# Altium PCB 2-quilter-output.PcbDoc (part 12 of 26) (continued)
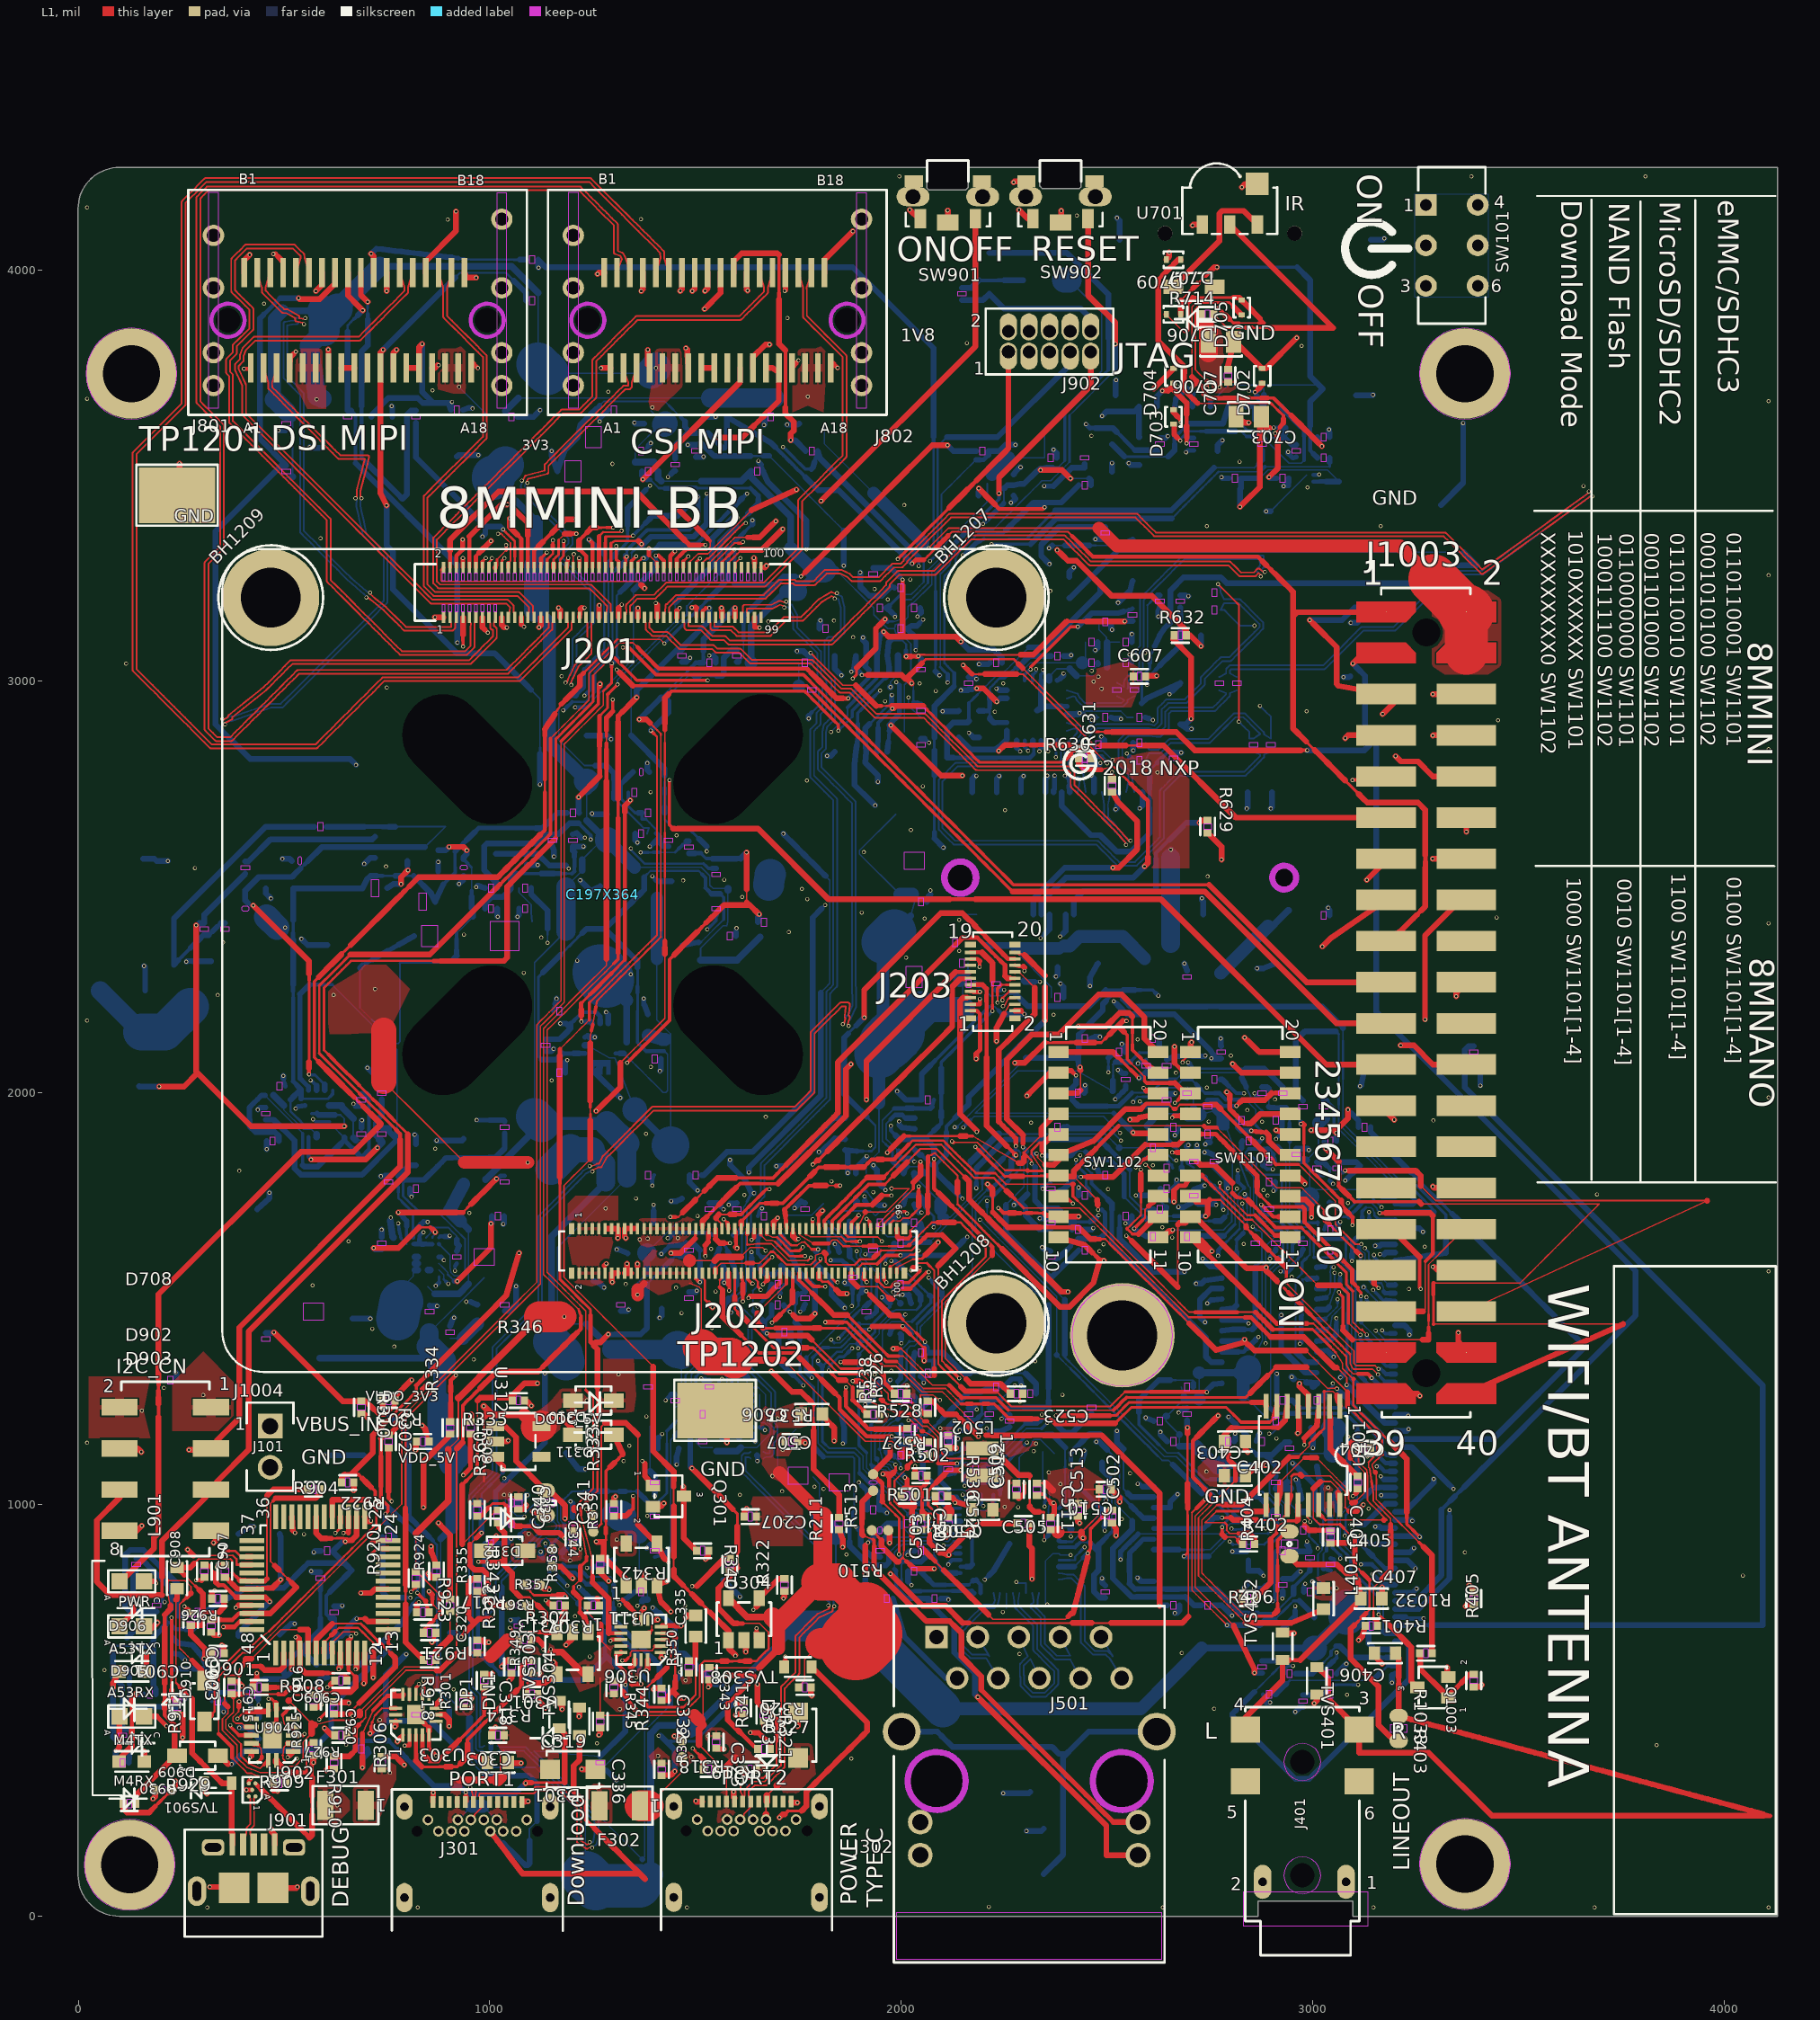
[diagram p0: L1 view]
## Nets (pads, with @x,y where several pads share a name; then routed paths per layer and width w, separated by ;. In a path a pad name is that pad's centre, name@x,y a point inside that pad or via, vN(x,y) a via of type N, cw(c..) or ccw(c..) an arc to the next point about the centre after c; other vN are vias at no path point) (continued)
  L8 w3.5: 1550.6,1241.65 1550.6,1253.12 1550.6,1265.81 1550.6,1278.5 1550.6,1291.2 ; 1550.74,1241.01 1557.08,1230.65
  L8 w3.83: 1550.6,1241.64 1550.74,1241.01 ; 1550.6,1291.2 1557.5,1298.1 ; 1557.08,1230.65 1557.08,1217.57 1557.08,1204.23 1557.08,1199.46 1563.05,1193.5
  L8 w7.92: 1557.5,1298.1 v1(1564.4,1305)
  L8 w8.94: v1@807.07,772.71 v1(807.23,772.54) ; 1563.05,1193.5 1569.01,1187.53
  L8 w9.96: 793.58,772.71 v1@807.07,772.71 ; 1569.02,1187.53 U302.B1@1577.64,1187.5
  L8 w14.05: R305.2@739.65,920.18 739.65,786.19 753.13,772.71 766.62,772.71 780.1,772.71 793.58,772.71
LD1_I2C_SDA: R308.2 U302.C1
LD1_NINT: R340.2 R345.2 U302.D1 | length 1538.1
  L1 w3.5: 1655.98,710.57 1667.12,699.42 1678.27,688.28
  L1 w3.83: R345.2@1309.65,569.7 1317.11,557.39 ; 1474.28,495.81 1483.37,504.9 1492.46,513.99 ; 1501.56,523.09 1510.65,532.18 1510.65,547.38 1510.65,562.57 1510.65,577.77 1510.65,592.97 1510.65,608.17 ; 1615.11,710.57 1628.73,710.57 1642.35,710.57 1655.98,710.57
  L1 w4.85: 1317.11,557.39 1324.58,545.08 ; 1492.46,513.99 1501.56,523.09 ; 1510.65,608.17 1521.22,618.74 1535.29,618.74 1549.37,618.74 ; 1591.6,618.74 1605.67,618.74
  L1 w5.87: 1353.14,501.96 1359.3,495.81 1369.44,495.81 1384.41,495.81 1399.39,495.81 1414.37,495.81 1429.35,495.81 1444.32,495.81 1459.3,495.81 1474.28,495.81 ; 1633.82,618.74 1647.9,618.74 1658.02,628.86 1668.14,638.98 1678.27,649.1 1678.27,662.16 1678.27,675.22 1678.27,688.28
  L1 w6.9: 1577.52,618.74 1591.6,618.74 ; 1591.07,988.43 1601.97,977.53 1601.97,962.14 1601.97,946.75 ; 1601.97,854.39 1601.97,869.79 1601.97,885.18
  L1 w7.92: 1549.37,618.74 1563.44,618.74
  L1 w9.96: 1332.05,532.76 1339.51,520.45 1346.98,508.14 ; 1601.97,845.03 1601.97,854.39 ; 1605.67,618.74 1619.75,618.74
  L1 w10.99: 1601.48,710.57 1615.11,710.57
  L1 w13.03: 1601.97,885.18 1601.97,900.57
  L1 w14.05: R345.2@1301.85,569.7 R345.2@1309.65,569.7 ; 1324.58,545.08 1332.05,532.76 ; 1346.99,508.12 1353.14,501.96 ; v1(1491.7,1087.8) 1503.89,1075.61 1514.79,1064.71 1525.69,1053.82 1536.58,1042.92 1547.48,1032.02 1558.38,1021.12 1569.28,1010.23 1580.18,999.33 1591.07,988.43 ; 1563.44,618.74 1577.52,618.74 ; 1601.48,710.57 1592.53,710.57 1555.56,747.54 1555.56,796 1583.82,824.26 R340.2@1583.84,839.01 1595.94,839 1601.97,845.03 ; 1601.97,900.57 1601.97,915.96 1601.97,931.36 1601.97,946.75 ; 1619.75,618.74 1633.82,618.74
  L8 w3.5: 1487.55,1184.21 1487.55,1199.59 1487.55,1214.96 1487.55,1230.34 1494.43,1237.22 1501.3,1244.09 ; 1576.2,1309.14 1576.2,1300.38 1576.2,1291.63 1575.96,1291.38 1567.32,1282.75 1558.68,1274.11 1558.68,1259.54 1558.68,1244.97 1562.79,1237.37 1566.89,1229.77 U302.D1@1577.64,1219
  L8 w3.83: 1508.51,1317.54 1523.34,1317.54 ; 1552.98,1317.54 1567.8,1317.54 1576.2,1309.14
  L8 w5.87: 1501.3,1310.34 1508.5,1317.54 ; 1523.34,1317.54 1538.16,1317.54 1552.98,1317.54
  L8 w7.92: 1501.3,1244.09 1501.3,1257.34 1501.3,1270.59 1501.3,1283.84 1501.3,1297.09 1501.3,1310.34
  L8 w14.05: 1487.55,1184.21 1487.55,1168.84 1487.55,1153.46 1487.55,1138.08 1487.55,1122.71 1487.55,1107.33 1487.55,1091.95 v1(1491.7,1087.8)
LD2_I2C_SCL: R311.2 U305.B1 | length 744.2
  L8 w3.5: U305.B1@877.74,1631.34 886.36,1622.72 894.99,1614.09 903.61,1605.47 ; 903.61,1575.46 905.61,1563.26 913.95,1554.92 927.05,1554.92
  L8 w3.83: 875.31,1709.33 886.12,1698.52 896.93,1687.71 907.74,1676.9 918.55,1666.09 929.36,1655.28 ; 903.61,1575.46 903.61,1590.46 903.61,1605.47 ; 927.05,1554.92 927.86,1554.92
  L8 w4.85: 927.86,1554.92 934.02,1561.07 940.17,1567.23 940.17,1569.85 940.17,1584.77 940.17,1599.7 940.17,1614.62 940.17,1629.55 940.17,1644.47 929.36,1655.28
  L8 w5.87: 789.65,1780.63 789.65,1765.03 789.65,1749.43 799.67,1739.4 809.7,1729.38 819.72,1719.35 829.75,1709.33
  L8 w6.9: 789.65,1780.63 797.33,1788.3
  L8 w9.96: U305.B1@876.72,1632.34 U305.B1@877.74,1631.34
  L8 w12.01: 909.17,1842.13 924.09,1842.13 939.01,1842.13 953.93,1842.13
  L8 w13.03: 861.96,1809.83 872.72,1820.6 883.49,1831.36 894.25,1842.13 909.17,1842.13 ; 953.93,1842.13 968.85,1842.13 983.77,1842.13 998.68,1842.13
  L8 w14.05: 797.33,1788.3 840.43,1788.3 851.19,1799.07 861.96,1809.83 ; 829.75,1709.33 875.31,1709.33 ; 998.68,1842.13 1013.6,1842.13 1036.41,1864.94 R311.2@1036.41,1901.51
LD2_I2C_SDA: R312.2 U305.C1
LD2_NINT: R341.2 R344.2 U305.D1 | length 1772.4
  L1 w8.94: v1(1597.61,513.85) v1@1600.24,513.85
  L1 w12.01: v1@1600.24,513.85 1606.29,519.9 R341.2@1617.01,519.9
  L1 w14.05: R344.2@1417.95,340.96 1421.64,342.07 1440.87,342.07 v1(1449.81,351)
  L3 w3.5: 910.29,1479.9 910.29,1494.48 910.29,1509.06 910.29,1523.63 910.29,1538.21 910.29,1552.79
  L3 w3.83: 1408.29,738.4 1408.29,754.16
  L3 w5.87: 1231.6,1009.6 1242.64,998.56 1253.68,987.51 ; 1308.9,932.3 1319.94,921.26 1330.99,910.21 ; 1397.25,843.95 1408.29,832.91 1408.29,817.16 1408.29,801.41 1408.29,785.66 1408.29,769.91 1408.29,754.16
  L3 w7.92: 1392.07,722.17 1400.18,730.28 1408.29,738.4
  L3 w9.96: 899.52,1563.57 910.28,1552.8
  L3 w14.05: v1(888.75,1593.56) 888.75,1574.33 899.52,1563.57 ; 910.29,1479.9 1007.58,1382.61 1007.58,1233.62 1076.99,1164.21 1088.04,1153.16 1099.08,1142.12 1110.12,1131.08 1121.17,1120.03 1132.21,1108.99 1143.25,1097.95 1154.3,1086.9 1165.34,1075.86 1176.38,1064.82 1187.43,1053.77 1198.47,1042.73 1209.51,1031.69 1220.56,1020.64 1231.6,1009.6 ; 1253.68,987.51 1264.73,976.47 1275.77,965.43 1286.81,954.39 1297.86,943.34 1308.9,932.3 ; 1330.99,910.21 1342.03,899.17 1353.07,888.13 1364.12,877.08 1375.16,866.04 1386.2,855 1397.25,843.95 ; 1392.07,722.17 1392.07,613.65 1414.83,590.89 1414.83,441.67 v1(1410.97,437.8)
  L8 w5.87: 1443.36,423.91 1457.45,423.91 ; 1471.54,423.91 1485.64,423.91 1499.73,423.91
  L8 w6.9: 1499.73,423.91 1510.09,434.27 1520.44,444.63 1530.33,454.52
  L8 w7.92: v1(1410.97,437.8) v1@1415.38,437.8 ; 1429.27,423.91 1443.36,423.91
  L8 w8.94: 1457.45,423.91 1471.54,423.91
  L8 w9.96: 881.77,1600.54 v1(888.75,1593.56)
  L8 w12.01: U305.D1@876.72,1600.84 877.03,1600.54 881.77,1600.54
  L8 w13.03: 1530.33,454.52 1540.22,464.41
  L8 w14.05: v1@1415.38,437.8 1429.27,423.91 1449.81,403.37 v1(1449.81,351) ; 1540.22,464.41 1550.11,474.29 1560,484.18 1569.89,494.07 1579.77,503.96 1589.66,513.85 v1@1597.61,513.85
LED_ACT: C514.1 R510.1 R519.1 R520.1 U501.23 | length 1316.1
  L1 w3.5: 2004.44,870.42 2005.71,879.26 2006.98,888.1
  L1 w4.85: 1973.81,1002.3 1984.86,991.24 1995.92,980.18 2006.98,969.13 ; 2004.44,870.42 2013.46,861.41 ; 2006.98,888.1 2006.98,901.61
  L1 w5.87: R510.1@1936.25,929.33 1943.7,921.86 ; 1970.81,1012.62 1973.81,1002.3 ; 1986.62,1082.37 v1(1986.62,1096.14) ; 1994.18,860.16 2004.44,870.42 ; 2006.98,901.61 2006.98,915.11 2006.98,928.61 2006.98,942.12 2006.98,955.62 2006.98,969.13
  L1 w6.9: 1943.7,921.86 1952.72,912.82
  L1 w7.92: 1982.39,1078.14 1986.62,1082.37
  L1 w9.96: 1970.81,1012.62 1970.81,1026.1 1970.81,1039.59 1970.81,1053.08 1970.81,1066.56
  L1 w10.99: R510.1@1928.79,936.78 R510.1@1936.25,929.33 ; 2013.46,861.41 2022.47,852.39
  L1 w13.03: v1(1955.85,1073.86) 1966.98,1073.86
  L1 w14.05: 1952.72,912.82 1952.72,897.37 1989.94,860.15 1994.17,860.15 ; 1966.98,1073.86 1978.11,1073.86 1982.39,1078.14 1970.81,1066.56 ; 2022.47,852.39 2031.48,843.38 v1(2080.6,843.38)
  L3 w14.05: v1(1762.27,1288.88) 1762.27,1267.43 v1(1955.85,1073.86)
  L8 w3.5: 1959.3,1130.64 1959.3,1144.31 1959.3,1157.97 1959.3,1171.64 1968.99,1181.33 1978.67,1191.01 1989.98,1191.01 2001.29,1191.01 ; 1966.53,1115.46 1969.2,1104.85 1978.2,1103.29 1979.46,1103.29 v1(1986.62,1096.14)
  L8 w3.83: 1959.3,1130.64 1963.86,1126.08
  L8 w4.85: 2164.26,804.18 2174.91,814.83
  L8 w6.9: 1963.87,1126.06 1966.53,1115.46
  L8 w7.92: 2069.48,843.38 v1(2080.6,843.38)
  L8 w8.94: 1738.08,1313.08 1747.15,1304 1754.71,1296.44 v1(1762.27,1288.88) ; 2107.74,804.18 2121.87,804.18 2136,804.18 2150.13,804.18 2164.26,804.18
  L8 w9.96: 2182.38,815.53 2193.17,804.74 2193.17,794.43 U501.23@2193.18,784.12
  L8 w10.99: 2068.48,815.17 2079.48,804.18 2093.61,804.18 2107.74,804.18
  L8 w14.05: R520.1@1701.79,1418.22 1701.79,1349.37 1710.86,1340.29 1719.94,1331.22 1729.01,1322.15 1738.08,1313.08 ; 2001.29,1191.01 2007.94,1184.37 R519.1@2016.97,1185.8 ; 2068.48,815.17 2057.49,826.17 C514.1@2046.49,837.17 2063.24,843.38 2069.48,843.38 ; 2174.91,814.83 2182.38,815.53
LED_LINK10_100: C516.1 J501.14 U501.26 | length 1273.5
  L1 w14.05: v1(2186.52,531.36) 2199.83,518.04 2498.99,218.88 2498.99,147.52 J501.14@2576.22,147.52
  L8 w3.5: 1983.72,842.12 1983.72,855.75 1983.72,869.37 1983.72,883 1993.62,892.9 2003.51,902.8 2017.71,902.8 2031.91,902.8 2046.11,902.8 2060.3,902.8 2074.5,902.8 2080.19,897.11 2080.19,885.97 2080.19,874.83
  L8 w5.87: 2108.31,720.8 2118.7,710.41 2129.09,700.02
  L8 w7.92: 1987.9,796.73 1987.9,810.46 ; 1987.9,824.2 1987.9,837.94 ; C516.1@2066.73,762.38 2077.13,751.98 ; 2080.19,874.83 2086.88,861.48 2093.58,848.13
  L8 w8.94: 2093.58,848.13 2101.22,840.48
  L8 w9.96: 1987.9,810.46 1987.9,824.2 ; U501.26@2134.94,832.83 U501.26@2144.45,832.83
  L8 w10.99: 1983.72,842.12 1987.9,837.94
  L8 w12.01: 1987.9,796.73 1996.56,788.07 2005.22,779.41 2013.3,771.33
  L8 w14.05: 2013.3,771.33 2039.73,771.33 2040.31,770.75 2066.73,770.75 C516.1@2066.73,762.38 ; 2077.13,751.98 2087.52,741.59 2097.91,731.2 2108.31,720.8 ; 2101.22,840.48 2108.87,832.83 2125.43,832.83 U501.26@2134.94,832.83 ; 2129.09,700.02 2129.09,639.93 2179.34,589.69 2179.34,538.54 v1(2186.52,531.36)
LED_LINK1000: C515.1 R513.1 R525.1 U501.24 | length 981.5
  L1 w4.85: 1954.18,1006.86 1964.49,996.55 1974.8,986.24 1985.11,975.93
  L1 w5.87: 1941.08,1064.09 1947.63,1057.55 ; 1985.11,975.93 1995.42,965.62 1995.42,951.17 1995.42,936.72 1995.42,922.27 1995.42,907.82 1995.42,893.38
  L1 w6.9: v1@1995.42,878.93 1995.42,893.38
  L1 w7.92: v1(1994.87,878.38) v1@1995.42,878.93
  L1 w8.94: 1973.62,1130.22 v1(1973.62,1142.19)
  L1 w9.96: R513.1@1932.2,1072.99 1941.08,1064.09 ; 1954.17,1021.59 1954.17,1036.29 1954.17,1051
  L1 w10.99: 1947.63,1057.55 1954.17,1051
  L1 w12.01: 1954.17,1006.88 1954.17,1021.59
  L1 w14.05: R513.1@1932.2,1072.99 1932.18,1076.82 1973.62,1118.26 1973.62,1130.22
  L8 w3.5: v1(1973.62,1142.19) 1966.88,1148.94 1966.88,1158.72 1966.88,1168.5 1973.15,1174.77 1987.67,1178.12
  L8 w4.85: 2001.1,818.9 2001.1,832.72 2001.1,846.53 2001.1,860.35
  L8 w5.87: 2001.1,805.09 2001.1,818.9
  L8 w6.9: 1998.28,1167.52 2013.68,1167.52 2029.08,1167.52 2044.48,1167.52 2059.88,1167.52 ; 2081.05,1188.68 2091.63,1199.26
  L8 w7.92: 2001.1,805.09 2009.08,797.11 2017.06,789.13 2032.25,789.13 ; 2047.44,789.13 2062.62,789.13 2077.81,789.13 2093,789.13 2108.19,789.13 2123.37,789.13
  L8 w8.94: v1(1994.87,878.38) 2000.92,872.33 2000.92,860.53 ; 2059.88,1167.52 2070.47,1178.1
  L8 w9.96: 2014.16,860.53 2027.4,860.53 ; 2070.47,1178.1 2081.05,1188.68 ; 2123.37,789.13 2138.56,789.13 2153.75,789.13 2162.57,789.13 2171.39,789.13 ; U501.24@2176.91,783.61 U501.24@2177.44,784.12
  L8 w10.99: 2000.92,860.53 2014.16,860.53 ; 2032.25,789.13 2047.44,789.13 ; 2091.63,1199.26 2102.21,1209.84
  L8 w12.01: 1987.67,1178.12 1998.28,1167.52 ; 2171.39,789.13 U501.24@2176.91,783.61
  L8 w14.05: 2000.92,860.53 2001.1,860.35 ; 2027.4,860.53 2040.64,860.53 2043.96,860.53 2048.79,860.55 2063.09,874.84 C515.1@2063.08,886.97 ; 2102.21,1209.84 2112.79,1220.42 2123.37,1231.01 2133.96,1241.59 2144.54,1252.17 2155.12,1262.75 2165.7,1273.33 2194.34,1273.33 R525.1@2216.03,1285.41
LINE_OUTL: C407.1 J401.4 R404.2 TVS402.2 | length 701.6
  L1 w5.87: 3094.67,831.53 3107.26,831.53 3109.84,816.34
  L1 w8.94: 2943.31,621.42 2956.62,621.42
  L1 w9.96: 2956.62,621.42 2969.94,621.42
  L1 w13.03: 3071.64,841.98 3082.08,831.53 3094.67,831.53
  L1 w14.05: J401.4@2837.54,452.55 2837.54,482.22 2927.3,571.99 2927.3,609.41 TVS402.2@2927.29,621.42 2943.31,621.42 ; R404.2@2944.1,873.58 2962.89,854.12 3059.49,854.12 3071.64,841.98 ; 2969.95,621.42 3117.58,769.05 3117.58,770.75 3115,785.94 3112.42,801.14 3109.84,816.34
LINE_OUTR: C406.2 J401.3 R403.2 TVS401.2 | length 2403.9
  L1 w10.99: 4096.23,242.8 4111.93,242.8 4096.89,246.86
  L1 w13.03: 3209.6,563.86 3209.61,579.57
  L1 w14.05: TVS401.2@3010.67,604.67 3038.1,578.56 3038.1,527.59 J401.3@3113.13,452.55 3113.13,396.26 3283.12,396.26 3436.58,242.8 3452.29,242.8 3468,242.8 3483.7,242.8 3499.41,242.8 3515.11,242.8 3530.82,242.8 3546.53,242.8 3562.23,242.8 3577.94,242.8 3593.64,242.8 3609.35,242.8 3625.05,242.8 3640.76,242.8 3656.47,242.8 3672.17,242.8 3687.88,242.8 3703.58,242.8 3719.29,242.8 3735,242.8 3750.7,242.8 3766.41,242.8 3782.11,242.8 3797.82,242.8 3813.52,242.8 3829.23,242.8 3844.94,242.8 3860.64,242.8 3876.35,242.8 3892.05,242.8 3907.76,242.8 3923.46,242.8 3939.17,242.8 3954.88,242.8 3970.58,242.8 3986.29,242.8 4001.99,242.8 4017.7,242.8 4033.41,242.8 4049.11,242.8 4064.82,242.8 4080.52,242.8 4096.23,242.8 ; C406.2@3201.93,637.95 3201.93,634.43 3209.67,626.69 3209.65,610.98 3209.63,595.27 3209.61,579.57 ; 3209.6,563.86 3209.58,548.16 3209.56,532.45 3209.54,516.75 3209.53,501.04 R403.2@3209.52,485.33 3224.55,481.29 3239.59,477.25 3254.63,473.21 3269.67,469.17 3284.71,465.12 3299.75,461.08 3314.79,457.04 3329.83,453 3344.87,448.96 3359.91,444.92 3374.95,440.87 3389.99,436.83 3405.03,432.79 3420.07,428.75 3435.11,424.71 3450.16,420.66 3465.2,416.62 3480.24,412.58 3495.28,408.54 3510.32,404.5 3525.36,400.45 3540.4,396.41 3555.44,392.37 3570.48,388.33 3585.52,384.29 3600.56,380.24 3615.6,376.2 3630.64,372.16 3645.68,368.12 3660.72,364.08 3675.76,360.03 3690.8,355.99 3705.84,351.95 3720.88,347.91 3735.92,343.87 3750.96,339.82 3766,335.78 3781.04,331.74 3796.09,327.7 3811.13,323.66 3826.17,319.61 3841.21,315.57 3856.25,311.53 3871.29,307.49 3886.33,303.45 3901.37,299.41 3916.41,295.36 3931.45,291.32 3946.49,287.28 3961.53,283.24 3976.57,279.2 3991.61,275.15 4006.65,271.11 4021.69,267.07 4036.73,263.03 4051.77,258.99 4066.81,254.94 4081.85,250.9 4096.89,246.86
LINEVDD: C402.1 L401.1 U401.6 | length 942.9
  L1 w3.5: 2813.08,1057.97 2803.06,1047.95 2793.04,1037.93 2783.02,1027.91 2773,1017.89 2762.98,1007.87 2752.96,997.85 2742.94,987.83 2732.92,977.82 2722.9,967.8 2722.9,952.04 2722.9,936.29 2722.9,920.54 2722.9,904.79 2722.9,889.04 2722.9,873.29 2722.9,857.54 2722.9,841.79 2722.9,826.04 2733.29,815.65 2743.67,805.27 2754.06,794.88 2764.44,784.5 2774.83,774.11 2785.21,763.73 2795.6,753.34 2805.98,742.96 2816.37,732.57 2826.75,722.19 2837.14,711.8
  L1 w7.92: 2817.75,1186.38 2831.78,1186.38 2845.82,1186.38 2859.85,1186.38 2873.88,1186.38 2887.92,1186.38 2901.95,1186.38
  L1 w9.96: 2803.72,1186.38 2817.75,1186.38 ; 2901.95,1186.38 2915.98,1186.38
  L1 w10.99: 2813.08,1057.97 2813.08,1069.26 2813.08,1080.54 2813.08,1091.83
  L1 w14.05: 2803.72,1186.38 2785.81,1168.47 C402.1@2785.8,1152.6 2799.01,1105.9 2813.08,1091.83 ; 2837.14,711.8 2948.49,711.8 L401.1@3027.04,745.17 ; 2915.99,1186.38 2932.89,1203.28 U401.6@2938.86,1238.52
"LINK / ACTIVE": J501.13 R513.2 | length 1169.5
  L1 w3.5: 1907.43,924.23 1918.75,919.78 1932.28,914.46
  L1 w8.94: 1932.28,914.46 1934.36,912.37 1934.36,897.12
  L1 w10.99: 1905.23,938.59 1905.23,952.08
  L1 w12.01: 1934.36,881.86 1934.36,897.12 ; 2195.08,548.7 2206.16,537.62 2217.24,526.54 2228.32,515.46 2239.39,504.39 2250.47,493.31 2261.55,482.23 2272.63,471.15 2283.7,460.07 2294.78,449 2305.86,437.92 2316.94,426.84 2328.01,415.76 2339.09,404.69 2350.17,393.61 2361.25,382.53 2372.32,371.45 2383.4,360.38 2394.48,349.3 2405.56,338.22 2416.63,327.14 2427.71,316.07 2438.79,304.99 2449.87,293.91 2460.95,282.83 2472.02,271.76 2483.1,260.68 2494.18,249.6 2505.26,238.52 2516.33,227.44
  L1 w13.03: 1905.23,926.44 1905.23,938.59 ; 1905.23,952.08 1905.23,965.57 ; 2117.8,716.37 2127.58,706.59
  L1 w14.05: 1905.23,926.44 1907.43,924.23 ; 1905.23,965.57 1905.23,979.06 1905.23,992.54 1905.23,1006.03 1923.29,1024.09 R513.2@1932.2,1032.99 ; 1934.36,881.86 1934.36,866.61 1934.36,851.36 1934.36,843.14 2061.13,716.37 2117.8,716.37 ; 2127.58,706.59 2137.35,696.82 2147.13,687.04 2147.13,630.03 2195.08,582.08 2195.08,548.7 ; 2516.34,227.44 J501.13@2576.22,227.44
LINKACT: J501.11 R510.2 | length 781.7
  L1 w14.05: R510.2@1968.79,936.78 1972.06,933.53 v1(1972.06,906.17)
  L3 w14.05: v1(1972.06,906.17) 1972.06,886.7 1972.06,857.98 1992.1,837.93 1992.1,519.87 1943.67,471.43 1943.67,330.46 J501.11@2046.69,227.44
M2_I2C_SCL: J601.60 R631.1 | length 503.4
  L1 w14.05: R631.1@2512.8,2731.59 2526.73,2707.19 2574.31,2659.62 2574.31,2592.38 2529.14,2547.22 v1(2514.81,2547.22)
  L8 w8.94: 2505.66,2547.22 v1(2514.81,2547.22)
  L8 w14.05: J601.60@2321.09,2433.28 2321.08,2470.34 2397.96,2547.22 2496.52,2547.22 2505.66,2547.22
M2_I2C_SDA: J601.58 R630.1 | length 701.1
  L1 w3.83: 2486.04,2785.58 2501.38,2789.08 2516.71,2792.59
  L1 w4.85: 2516.71,2792.59 2527.11,2782.19
  L1 w5.87: 2527.11,2782.19 2537.51,2771.79 2547.91,2761.38 2558.31,2750.98
  L1 w9.96: 2568.71,2740.58 2579.12,2730.18 2589.52,2719.78 2599.92,2709.38 2599.92,2694.28 2599.92,2679.18 2599.92,2664.07 2599.92,2648.97 2599.92,2633.87 2599.92,2618.76 2599.92,2603.66 2599.92,2588.56 2599.92,2573.46
  L1 w10.99: 2448.21,2785.58 2460.82,2785.58 2473.43,2785.58 ; 2558.31,2750.98 2568.71,2740.58
  L1 w12.01: 2473.43,2785.58 2486.04,2785.58
  L1 w14.05: R630.1@2431.68,2812.75 2431.67,2800.64 2446.73,2785.58 2448.21,2785.58 ; v1(2591.87,2550.3) 2599.92,2558.35 2599.92,2573.46
  L8 w8.94: J601.58@2340.77,2462.68 2351.4,2473.31
  L8 w10.99: 2351.4,2473.31 2362.03,2483.94
  L8 w14.05: J601.58@2340.78,2433.28 J601.58@2340.77,2462.68 ; 2362.03,2483.94 2400.52,2522.43 2564,2522.43 v1(2591.87,2550.3)
M2_PCM_CLK: J601.8
M2_PCM_IN: J601.12
M2_PCM_OUT: J601.14
M2_PCM_SYNC: J601.10
M2_SD_CLK: J601.9
M2_SD_CMD: J601.11
M2_SD_DAT0: J601.13
M2_SD_DAT1: J601.15
M2_SD_DAT2: J601.17
M2_SD_DAT3: J601.19
M2_SD_NRST: J601.23
M2_SD_WAKE: J601.21
M2_UART_CTS: J601.36
M2_UART_RTS: J601.34
M2_UART_RXD: J601.22
M2_UART_TXD: J601.32
M2_USB_DN: J601.5
M2_USB_DP: J601.3
MDC: R511.2 R537.2 U501.1 | length 846.7
  L1 w3.5: 1904.03,1258.19 1916.93,1252.63 1929.83,1247.08 1942.72,1241.52 1955.62,1235.96 1968.52,1230.41 1981.41,1224.85 1994.31,1219.3 ; 2022.73,1218.58 2032.35,1208.96 2041.96,1199.35 2051.58,1189.73 2063.49,1189.73 2072.23,1180.99 2080.01,1173.21 2087.78,1165.44 2090.1,1163.13 2090.1,1150.34 2090.1,1137.54 2090.1,1124.74 2090.1,1111.95 2090.1,1099.15
  L1 w7.92: 2101.42,1099.13 2112.72,1099.13 2124.02,1099.13 v1(2136.12,1099.13)
  L1 w9.96: R537.2@1900.85,1268.81 1904.03,1258.19 ; 2090.11,1099.13 2101.42,1099.13
  L1 w10.99: 2008.16,1219.3 2022.01,1219.3 2022.73,1218.58
  L1 w14.05: 1994.31,1219.3 2008.16,1219.3
  L8 w3.5: 2146.02,1105.92 2151.22,1111.12 2165.12,1111.12 2179.03,1111.12 2192.93,1111.12 2206.83,1111.12 2220.74,1111.12 2234.64,1111.12 2248.54,1111.12
  L8 w3.83: 2141.99,1100.71 2146.02,1105.92 ; 2398.81,1044.58 2398.81,1060.16 2398.81,1075.73 ; 2398.81,1106.87 2398.81,1122.45 2398.81,1138.02
  L8 w5.87: 2133.41,1089.58 2138.37,1093.74 2141.99,1100.71 ; 2391.23,997.9 2398.81,1005.48 2398.81,1013.44 2398.81,1029.01 2398.81,1044.58 ; 2398.81,1091.3 2398.81,1106.87
  L8 w6.9: 2130.02,1083.69 2133.41,1089.58 v1@2133.41,1096.42 ; 2248.54,1111.12 2258.28,1120.86 2268.02,1130.6 2277.76,1140.33 2287.49,1150.07 2297.23,1159.81 2306.97,1169.55 ; 2398.81,1075.73 2398.81,1091.3
  L8 w7.92: v1@2133.41,1096.42 v1(2136.12,1099.13)
  L8 w8.94: R511.2@2122.87,1073.89 2129.94,1076.01 ; 2130.02,1076.09 2130.02,1083.69
  L8 w9.96: U501.1@2383.65,990.32 2391.23,997.9
  L8 w10.99: R511.2@2114.67,1071.43 R511.2@2122.87,1073.89 ; 2306.97,1169.55 2322.04,1169.55 2337.12,1169.55 2352.2,1169.55
  L8 w12.01: 2129.94,1076.01 2130.02,1076.09
  L8 w14.05: 2352.2,1169.55 2359.74,1169.55 2367.28,1169.55 2398.81,1138.02
MDIO: R512.2 R538.2 U501.48 | length 592
  L1 w10.99: R538.2@2074.88,1250.37 2085.42,1239.83 2095.97,1229.28 ; 2133.99,1218.74 2144.77,1207.95
  L1 w13.03: 2177.1,1175.62 v1(2188.11,1164.62)
  L1 w14.05: R538.2@2064.91,1250.37 R538.2@2074.88,1250.37 ; 2095.97,1229.28 2106.51,1218.74 2133.99,1218.74 ; 2144.77,1207.95 2155.55,1197.18 2166.33,1186.4 2177.1,1175.62
  L6 w6.9: 2160.61,1045.24 2171.23,1034.62 2181.86,1024 ; 2188.11,1030.25 2181.86,1024 ; 2209.78,1011.82 2194.03,1011.82 2187.94,1017.91 2181.86,1024
  L6 w9.96: v1(2154.56,1045.24) 2160.61,1045.24
  L6 w12.01: 2209.78,1011.82 2225.54,1011.82
  L6 w14.05: 2188.11,1030.25 v1(2188.11,1164.62) ; 2225.54,1011.82 2241.29,1011.82 2257.04,1011.82 2272.8,1011.82 2288.55,1011.82 2305.48,994.89 v1(2348.67,994.9)
  L8 w6.9: v1(2154.56,1045.24) 2154.56,1054.19
  L8 w7.92: v1(2348.67,994.9) 2348.67,1006.23 2350.65,1008.21 U501.48@2350.65,1023.31
  L8 w9.96: 2154.56,1054.19 2154.56,1069.52
  L8 w14.05: 2154.56,1069.52 2166.38,1081.34 R512.2@2166.26,1086.19
NetC102_1: C102.1 R102.2 | length 340.3
  L8 w14.05: C102.1@406.06,2561.89 413.15,2561.89 467.4,2616.14 714.82,2616.14 R102.2@721.23,2622.52
NetC102_2: C102.2 L101.1 R135.1 U101.7 | length 1213.3
  L1 w14.05: v1(196.44,2015.29) 257.12,2015.29 290.13,2048.29 ; v1(286.64,2407.08) 286.64,2051.78 290.13,2048.29 ; v1(646.68,1918.56) 419.86,1918.57 290.13,2048.29
  L8 w3.83: 637.32,1946.25 646.68,1936.89
  L8 w4.85: 623.87,1946.25 637.32,1946.25 ; v1(646.68,1918.56) 646.68,1927.73 646.68,1936.89
  L8 w7.92: U101.7@567,1949.47 U101.7@580.28,1949.49
  L8 w14.05: L101.1@147.75,2015.88 148.36,2015.29 v1(196.44,2015.29) ; v1(286.64,2407.08) 288.99,2407.08 294.37,2412.46 R135.1@306.52,2412.48 306.54,2421.46 306.54,2432.86 C102.2@406.06,2532.38 ; U101.7@580.28,1949.49 583.52,1946.25 596.97,1946.25 610.42,1946.25 623.87,1946.25
NetC106_1: C106.1 C107.1 C108.1 C109.1 C160.2 L101.2 R103.1 R105.1 U101.5 | length 499.2
  L8 w3.5: 499.1,1969.35 499.1,1958.9 546.31,1911.69 566.33,1911.69 U101.5@578.82,1899.21
  L8 w16.55: 474.23,1994.22 499.1,1969.35 ; 483.2,2401.56 v1(502.51,2401.56) ; U101.5@578.81,1892.38 U101.5@578.82,1899.21
  L8 w46.08: C108.1@53.19,2248.29 153.81,2147.67
  L8 w60.85: 457.3,2427.46 483.2,2401.56
  L8 w90.38: 153.81,2147.67 210.01,2147.67 C107.1@272.12,2209.78
  other v1: 338.76,2237.28 351.78,2365.24 937.7,2384.53
NetC113_1: C113.1 C161.1 D101.C R101.2 R138.1 R140.2 U101.12 | length 2439.5
  L8 w3.5: 453.66,1993.63 463.85,1983.44 474.05,1973.24 484.25,1963.05 494.44,1952.85 504.64,1942.65 514.83,1932.46 525.03,1922.26 535.23,1912.07 545.42,1901.87 ; 570.9,1918.98 582.88,1918.98 594.86,1918.98 606.84,1918.98 618.83,1918.98 628.11,1909.69 637.4,1900.4 646.69,1891.12
  L8 w4.85: 541.79,1985.46 554.97,1985.46 568.14,1985.46 581.31,1985.46 594.48,1985.46 606.81,1985.46 ; 566.4,1923.48 570.9,1918.98
  L8 w5.87: 515.6,1982.89 515.6,1969.09 515.6,1955.29 526.2,1944.69 536.8,1934.08 547.41,1923.48 556.9,1923.48 566.4,1923.48 ; 606.81,1985.46 612.5,1991.15 ; 740.12,2527.28 755.17,2527.28 770.22,2527.28 ; 785.27,2527.28 800.32,2527.28 815.37,2527.28
  L8 w6.9: 522.44,2387.68 522.44,2403.31 522.44,2418.95 ; 545.42,1839.74 545.42,1855.27 545.42,1870.8 545.42,1886.34 545.42,1901.87
  L8 w7.92: 522.44,2231.29 522.44,2246.93 ; 545.42,1824.21 545.42,1839.74 ; 612.5,1991.15 618.19,1996.84 U101.12@618.18,2006.56 ; 706.46,1859.39 706.46,1874.03 706.46,1888.68 706.46,1903.32 706.46,1917.97 706.46,1932.61 ; 706.46,1947.26 706.46,1961.9 706.46,1976.55 706.46,1991.19 ; 915.87,2547.84 915.87,2560.49 915.87,2573.15 915.87,2585.8
  L8 w8.94: 706.46,1932.61 706.46,1947.26 ; 887.38,2506.7 896.88,2516.19 906.38,2525.69 915.87,2535.18 915.87,2547.84
  L8 w9.96: 522.44,2027.99 522.44,2043.63 522.44,2059.26 522.44,2074.9 522.44,2090.54 522.44,2106.18 522.44,2121.82 522.44,2137.46 522.44,2153.1 522.44,2168.73 522.44,2184.37 522.44,2200.01 522.44,2215.65 522.44,2231.29 ; 725.07,2527.28 740.12,2527.28
  L8 w10.99: 522.44,2027.99 531.7,2018.73 ; 522.44,2246.93 522.44,2262.57 ; 522.44,2372.04 522.44,2387.68 ; 646.69,1884.77 656.67,1874.79 666.65,1864.81 ; 925.43,2595.36 934.99,2604.92 ; 963.66,2633.6 973.22,2643.15 988.7,2643.15 1004.18,2643.15 1019.65,2643.15 1035.13,2643.15 1050.61,2643.15 1066.08,2643.15 1081.56,2643.15 1097.04,2643.15 1112.51,2643.15
  L8 w12.01: 531.7,2018.73 532.28,2018.14 532.28,2016.94 ; 541.33,1985.92 541.79,1985.46 ; 915.87,2585.8 925.43,2595.36 ; 934.99,2604.92 944.55,2614.48
  L8 w13.03: 416.17,1934.52 416.17,1949.52 416.17,1964.52 425.88,1974.23 435.59,1983.94 445.29,1993.64 453.65,1993.64 ; 532.28,2016.94 540.96,2008.26 ; 532.51,1999.8 540.96,2008.26 ; 541.33,1985.92 541.33,1996.91 541.33,2007.89 540.96,2008.26
  L8 w14.05: 416.17,1934.52 416.17,1919.52 431.17,1904.52 477.86,1904.52 487.17,1895.21 C161.1@487.16,1883.07 ; 515.6,1982.89 524.05,1991.35 532.51,1999.8 ; 522.44,2262.57 522.44,2278.2 522.44,2293.84 522.44,2309.48 522.44,2325.12 522.44,2340.76 522.44,2356.4 522.44,2372.04 ; 522.44,2418.95 522.44,2434.59 522.44,2450.23 522.44,2465.87 522.44,2481.51 522.44,2497.15 534.45,2497.15 691.06,2497.15 R138.1@691.23,2497.33 701.1,2518.36 710.02,2527.28 725.07,2527.28 ; 545.42,1824.2 549.39,1820.23 582.15,1820.23 632.13,1870.21 646.69,1884.77 646.69,1891.12 ; 666.65,1864.81 676.63,1854.83 686.61,1844.86 691.93,1844.85 706.46,1859.38 ; C113.1@688.05,1997.44 700.23,1997.42 706.46,1991.19 ; 770.22,2527.28 785.27,2527.28 ; 815.37,2527.28 857.47,2485.18 867.34,2464.11 887.38,2506.69 ; 944.55,2614.48 954.11,2624.04 963.66,2633.6 ; 1112.51,2643.15 1127.99,2643.15 1164.8,2679.96 R140.2@1187.54,2679.96
NetC117_1: C117.1 R113.2 R114.2 R115.1 U102.5 | length 1382.4
  L6 w4.85: 1174.34,2217.55 1174.34,2233.09 ; 1174.34,2341.86 1174.34,2357.4 1174.34,2372.94 ; 1174.34,2543.88 1185.28,2554.82 1195.31,2564.84
  L6 w5.87: 1174.34,2233.09 1174.34,2248.63
  L6 w6.9: 1174.34,2248.63 1174.34,2264.16 1174.34,2279.7 1174.34,2295.24 1174.34,2310.78 1174.34,2326.32 1174.34,2341.86 ; 1174.34,2372.94 1174.34,2388.48 1174.34,2404.02 1174.34,2419.56 1174.34,2435.1 1174.34,2450.64 1174.34,2466.18 1174.34,2481.72 1174.34,2497.26 1174.34,2512.8 1174.34,2528.34 1174.34,2543.88
  L6 w9.96: 1329.35,2593.86 v1(1343.21,2593.86)
  L6 w13.03: v1(1171.85,2168.43) 1174.34,2170.93 1174.34,2186.47 1174.34,2202.01 1174.34,2217.55 ; 1232.27,2593.86 1246.14,2593.86 1260,2593.86 1273.87,2593.86 1287.74,2593.86 1301.61,2593.86 1315.48,2593.86 1329.35,2593.86
  L6 w14.05: 1195.31,2564.84 1205.34,2574.87 1215.37,2584.9 1225.39,2594.93 1231.19,2594.93 ; v1(1227.74,2598.69) 1227.74,2598.39 1231.19,2594.93 ; 1232.27,2593.86 1231.2,2594.93
  L8 w5.87: 1186.76,2532.76 1200.15,2532.76 ; v1(1343.21,2593.86) 1343.21,2590.41 1354.34,2579.28 1365.47,2568.16 1376.59,2557.03 1390.91,2557.03 1405.24,2557.03 1419.56,2557.03 1433.88,2557.03 1448.2,2557.03 1462.52,2557.03 1476.84,2557.03 1491.16,2557.03 1505.48,2557.03 1519.8,2557.03
  L8 w6.9: 1064.87,2532.76 1080.1,2532.76 1095.34,2532.76 1110.58,2532.76
  L8 w7.92: 1110.58,2532.76 1125.81,2532.76 ; 1171.52,2532.76 1186.76,2532.76 ; 1519.8,2557.03 1525.66,2551.16 1531.53,2545.3 R113.2@1541.1,2545.3
  L8 w8.94: 1206.04,2538.65 1206.04,2549.46 ; 1206.3,2176.75 1215.62,2186.07 1224.94,2195.39 1236.33,2195.39 1247.72,2195.39 1259.1,2195.39
  L8 w9.96: 1196.99,2167.44 1206.3,2176.75 ; 1200.15,2532.76 1206.04,2538.65 ; 1206.04,2549.46 1206.04,2562.11 1206.04,2573.5
  L8 w10.99: 1259.1,2195.39 U102.5@1268.66,2185.83
  L8 w12.01: U102.5@1268.66,2177.17 U102.5@1268.66,2185.83
  L8 w13.03: 1156.29,2532.76 1171.52,2532.76 ; 1206.04,2573.5 1206.04,2584.89
  L8 w14.05: R115.1@988.48,2447.52 988.48,2459.68 1004.67,2475.87 1031.75,2475.87 1050.95,2495.08 1050.95,2518.85 1064.87,2532.76 ; 1125.81,2532.76 1141.05,2532.76 1156.29,2532.76 ; C117.1@1135.94,2130.26 1170.47,2130.26 1183.73,2143.51 1196.99,2156.77 ; v1(1171.85,2168.43) 1185.33,2168.43 1196.99,2156.77 ; 1196.99,2167.44 1196.99,2156.77 ; R114.2@1202.3,2598.78 1202.28,2588.65 1206.04,2584.89 ; R114.2@1202.3,2598.78 1202.57,2598.69 v1(1227.74,2598.69) ; U102.5@1268.65,2168.5 U102.5@1268.66,2177.17 ; R113.2@1541.1,2545.3 R113.2@1550.66,2545.29